# Altium PCB Benchtest_PCB.PcbDoc (part 2 of 3)
Units mil, origin at the board's own origin, x right, y up, seen from the top; angles counter-clockwise.
Board outline 6000 x 3920 mil, 4 copper layers (Top Layer, Power Plane, Ground Plane, Bottom Layer), stack 30.634 mil thick; 232 components, 162 nets, 1268 pads, 324 vias.
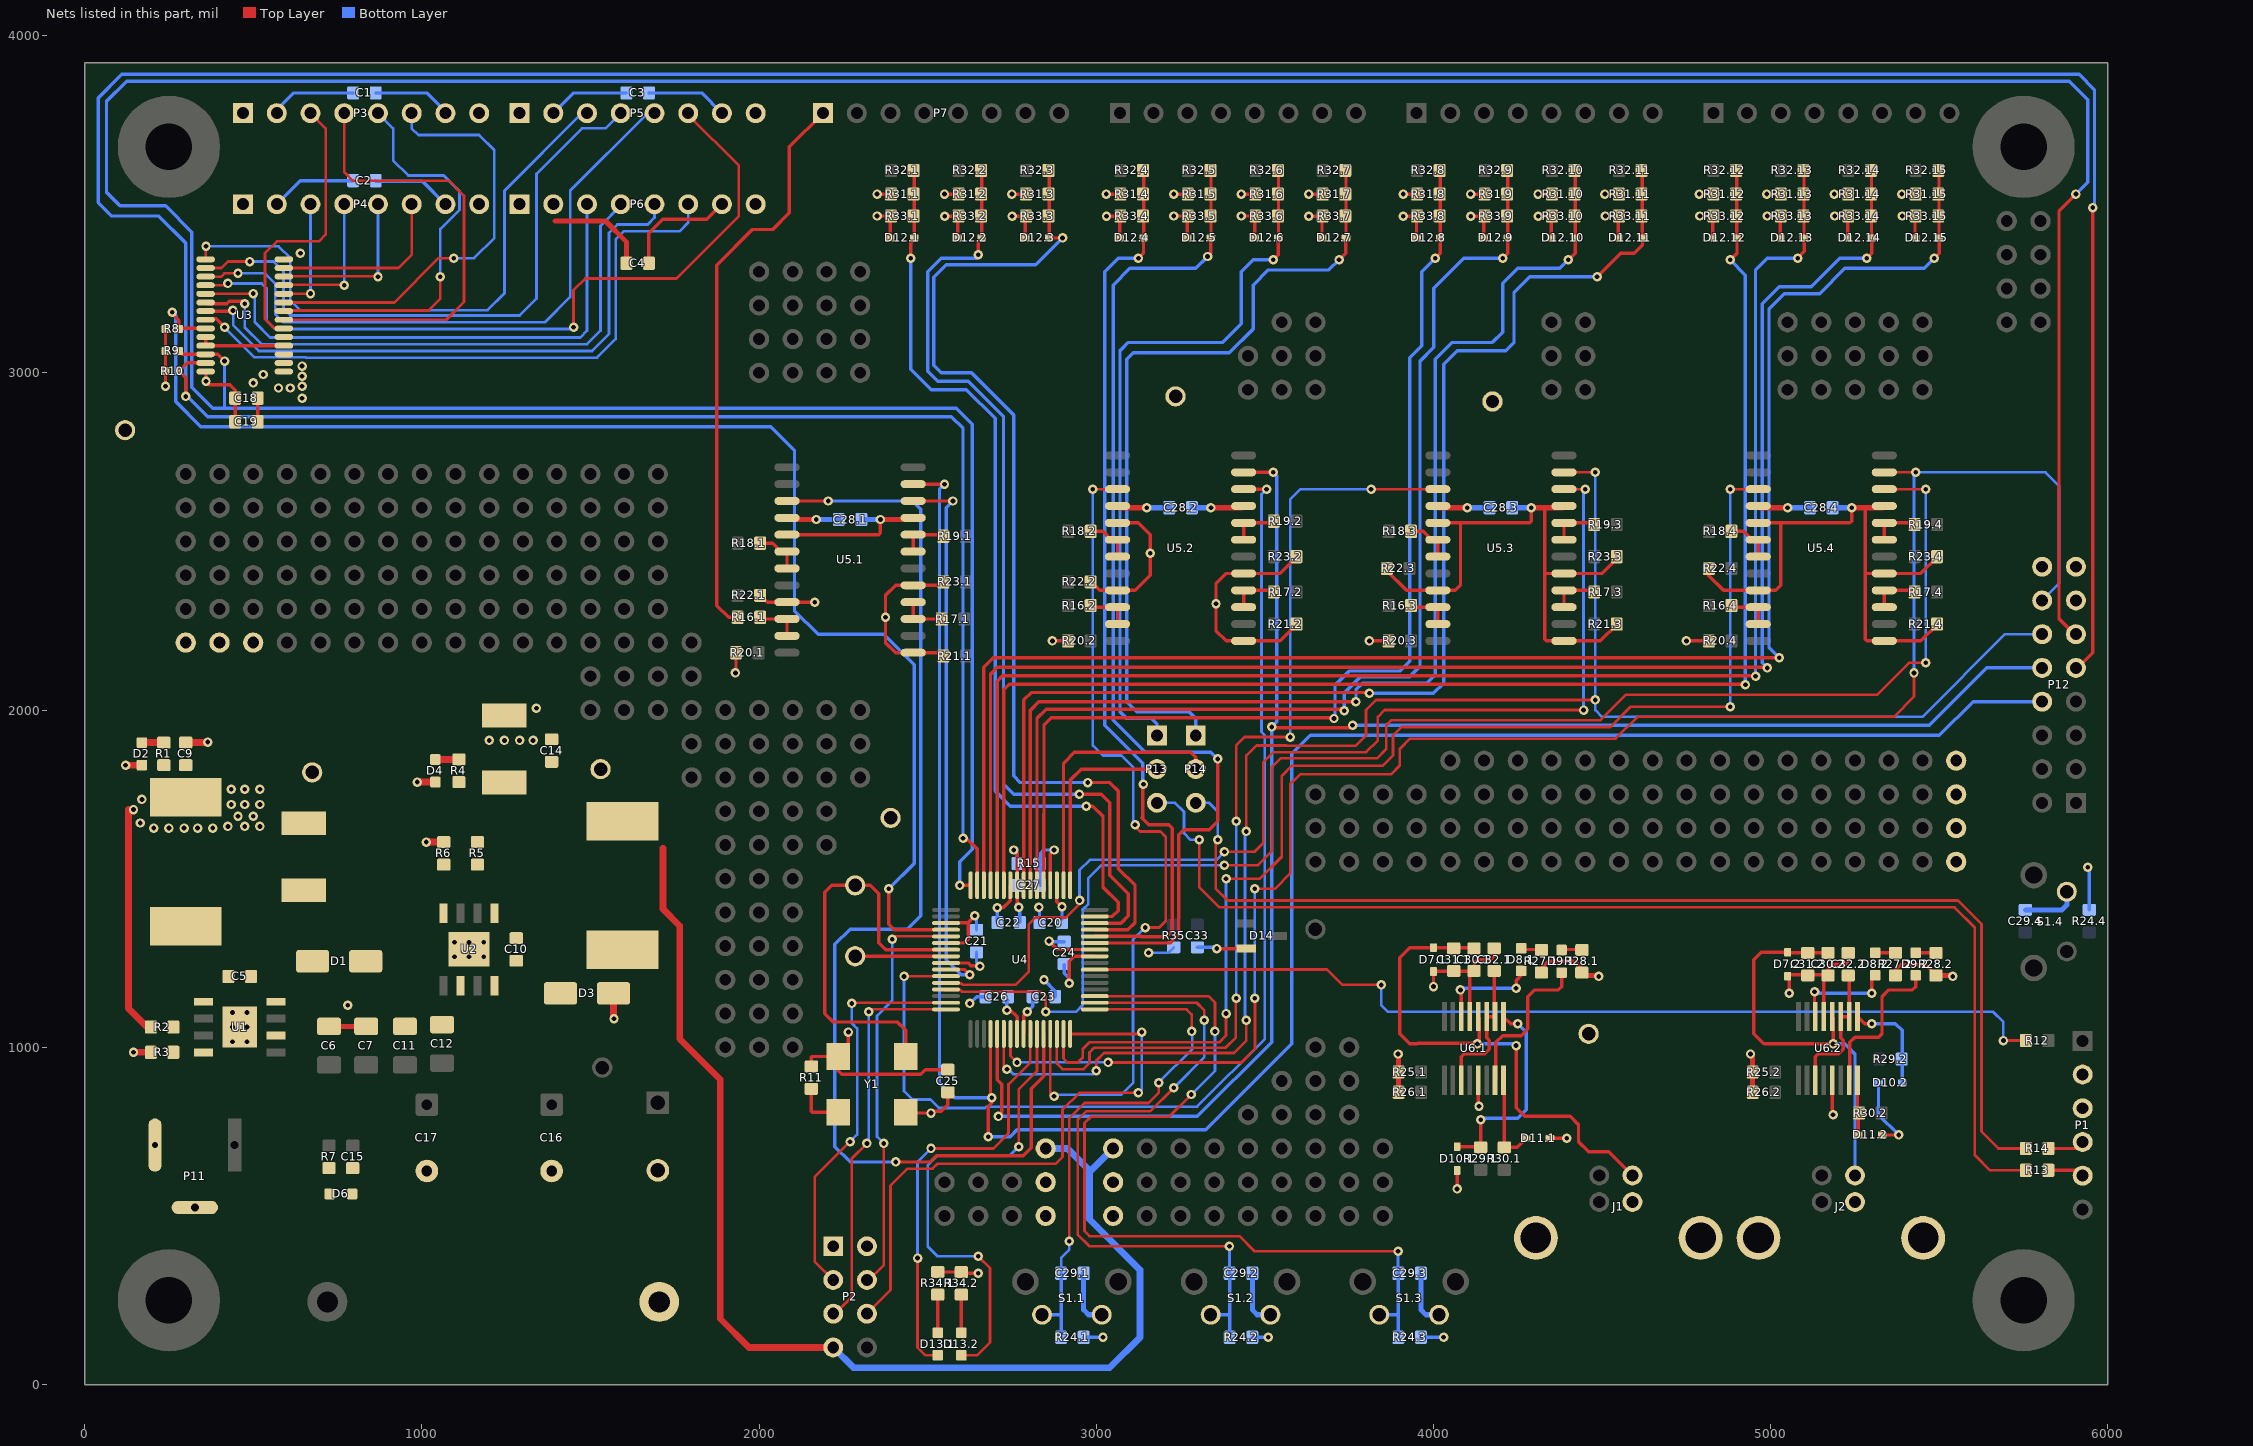
[diagram p4: the nets of this part, all layers, seen from the top]

## Via types
v1: diameter 28, hole 14, Top Layer to Bottom Layer, 324 vias

## Nets (pads, with @x,y where several pads share a name; then routed paths per layer and width w, separated by ;. In a path a pad name is that pad's centre, name@x,y a point inside that pad or via, vN(x,y) a via of type N, cw(c..) or ccw(c..) an arc to the next point about the centre after c; other vN are vias at no path point)
3V3: C8.1 C9.2 C18.1 C19.1 C20.2 C21.2 C22.2 C23.2 C24.2 C25.2 C28.1.1 C28.2.1 C28.3.1 C28.4.1 L1.2 P1.2 P2.1 P12.7 pad.4@400,2200 pad.4@2850,600 pad.4@3050,600 pad.4@5550,1750 pad.4@5550,1850 R1.1 R2.1 R8.2 R9.2 R10.2 R11.1 R24.1.2 R24.2.2 R24.3.2 R24.4.2 R25.1.2 R25.2.2 R26.1.2 R26.2.2 R27.1.2 R27.2.2 R28.1.2 R28.2.2 R31.1.1 R31.2.1 R31.3.1 R31.4.1 R31.5.1 R31.6.1 R31.7.1 R31.8.1 R31.9.1 R31.10.1 R31.11.1 R31.12.1 R31.13.1 R31.14.1 R31.15.1 R34.1.1 R34.2.1 R35.2 TP1.1 TP3.1 U3.28 U4.10 U4.19 U4.26 U4.35 U4.38 U4.57 U5.1.16 U5.2.16 U5.3.16 U5.4.16 Y1.4 | length 4893.3
  Top Layer w10: R2.1@185,1060 R2.1@196.54,1060 ; v1(240,2960) 240,3129.69 R8.2@240.32,3130 ; U3.28@357.4,3005.32 U3.28@358.86,3003.86 360,3002.72 v1(360,2975) 370,2965 430,2965 446.54,2948.46 C18.1@446.54,2925 C19.1@446.54,2855 ; U5.1.16@2082.99,2570 U5.1.16@2087.99,2565 ; R11.1@2155,943.46 2155,970 2157.68,972.68 Y1.4@2235,972.68 ; v1(2265,1045) 2265,1002.68 Y1.4@2235,972.68 ; v1(2350,3530) R31.1.1@2391.54,3530 ; R34.1.1@2530,333.46 2596.54,333.46 2600,330 v1(2650,330) ; v1(2550,3530) R31.2.1@2591.54,3530 ; U4.38@2554.53,1309.21 2609.21,1309.21 2620,1320 2620,1370 ; U4.35@2555,1369.05 2619.05,1369.05 2620,1370 ; C25.2@2560,933.46 2493.46,933.46 2480,920 2245,920 2235,930 Y1.4@2235,972.68 ; v1(2640,1390) 2620,1370 ; v1(2706.54,1413.46) 2723.46,1413.46 2745,1435 ; 2730.31,1420 2745.47,1435.16 U4.26@2745.47,1480.47 ; v1(2750,3530) R31.3.1@2791.54,3530 ; U4.57@2784.84,1039.53 2784.84,1094.84 v1(2795,1105) ; v1(2860,1315) 2885,1290 U4.10@2995,1290 ; U4.19@2883.27,1480.47 2883.27,1431.73 v1(2898.46,1416.54) ; v1(3030,3530) R31.4.1@3071.54,3530 ; U5.2.16@3062.99,2605 U5.2.16@3067.99,2600 ; v1(3230,3530) R31.5.1@3271.54,3530 ; v1(3430,3530) R31.6.1@3471.54,3530 ; v1(3630,3530) R31.7.1@3671.54,3530 ; v1(3910,3530) R31.8.1@3951.54,3530 ; U5.3.16@4012.99,2605 U5.3.16@4017.99,2600 ; v1(4110,3530) R31.9.1@4151.54,3530 ; v1(4310,3530) R31.10.1@4351.54,3530 ; R27.1.2@4320,1213.07 4320,1235 4340,1255 4420,1255 4440,1235 R28.1.2@4440,1215 ; v1(4508.46,3530) R31.11.1@4550,3530 ; v1(4788.46,3530) R31.12.1@4830,3530 ; U5.4.16@4962.99,2605 U5.4.16@4967.99,2600 ; v1(4988.46,3530) R31.13.1@5030,3530 ; v1(5188.46,3530) R31.14.1@5230,3530 ; R27.2.2@5370,1213.07 5370,1230 5385,1245 5460,1245 R28.2.2@5490,1215 ; v1(5388.46,3530) R31.15.1@5430,3530 ; R28.2.2@5489.04,1214.04 R28.2.2@5490,1213.07
  Top Layer w15: U5.1.16@2087.99,2565 v1(2170,2565) ; U5.2.16@3067.99,2600 v1(3150,2600) ; v1(3895,980) 3896.54,978.46 R25.1.2@3896.54,926.54 R26.1.2@3896.54,866.54 ; U5.3.16@4017.99,2600 v1(4100,2600) ; R28.1.2@4440,1213.07 4486.93,1213.07 v1(4490,1210) ; v1(4940,980) 4946.54,973.46 R25.2.2@4946.54,926.54 R26.2.2@4946.54,866.54 ; U5.4.16@4967.99,2600 v1(5050,2600) ; R28.2.2@5490,1213.07 5536.93,1213.07 v1(5540,1210)
  Top Layer w20: 130,1705 130,1115 R2.1@185,1060
  Bottom Layer w8: v1(3155,1280) 3213.46,1280 R35.2@3230,1296.54
  Bottom Layer w10: v1(2640,1390) 2645,1385 C21.2@2645,1348.46 ; C22.2@2706.54,1370 v1(2706.54,1413.46) ; v1(2795,1105) 2811.54,1121.54 C23.2@2811.54,1150 ; v1(2860,1315) 2861.54,1313.46 C24.2@2905,1313.46 ; C20.2@2898.46,1380 v1(2898.46,1416.54) ; R24.1.2@2962.68,140 v1(3020,140) ; R24.2.2@3462.68,140 v1(3510,140) ; R24.3.2@3962.68,140 v1(4030,140) ; v1(5940,1534.21) 5944.96,1529.25 R24.4.2@5944.96,1407.68
  Bottom Layer w15: v1(2170,2565) C28.1.1@2236.54,2565 ; v1(3150,2600) C28.2.1@3216.54,2600 ; v1(4100,2600) C28.3.1@4166.54,2600 ; v1(5050,2600) C28.4.1@5116.54,2600
  other v1: 205,1650 250,1650 295,1650 335,1650 380,1650 425,1655 475,1655 520,1655 165,1665 455,1685 500,1685 145,1705 435,1720 475,1720 520,1720 170,1735 435,1765 475,1765 520,1765
5V0: C1.1 C2.1 C3.1 C4.1 C13.1 C14.2 L2.2 P2.4 P3.1 P3.2 P4.1 P4.2 P5.1 P5.2 P6.1 P6.2 pad.4@300,2200 pad.4@2850,700 pad.4@3050,700 R4.1 R5.1 TP2.1 TP4.1 | length 4670.5
  Top Layer w15: 1395,3450 1545,3450 1606.54,3388.46 C4.1@1606.54,3325
  Top Layer w20: 1715,1590 1715,1410 1765,1360 1765,1025 1885,905 1885,195 1970,110 P2.4@2220,110
  Bottom Layer w10: P4.2@570,3500 640,3570 C2.1@796.54,3570 ; P3.2@570,3780 620,3830 C1.1@796.54,3830 ; P5.2@1385,3770 P5.2@1390,3770 1450,3830 C3.1@1606.54,3830
  Bottom Layer w20: P2.4@2220,110 2280,50 3040,50 3130,140 3130,340 2980,490 2980,630 ; pad.4@2850,700 2915,700 2980,635 2980,630 ; pad.4@3050,700 2980,630
5V_USB.1: C30.1.2 C31.1.2 D7.1.K J1.1 U6.1.12 | length 1551.1
  Top Layer w10: C30.1.2@4125,1295 3930,1295 3900,1265 3900,1040 3930,1010 3951.82,1010 3953.82,1012 4128,1012 v1(4130,1010) 4131.22,1010 4135.61,1014.39 4135.61,1087.91 U6.1.12@4132.5,1091.02 ; v1(4245,1005) 4245,820 4270,795 4405,795 4430,770 4430,720 4460,690 4520,690 J1.1@4590,620
  Bottom Layer w10: v1(4130,1010) 4240,1010 v1(4245,1005)
5V_USB.2: C30.2.2 C31.2.2 D7.2.K J2.1 U6.2.12 | length 1217.3
  Top Layer w10: C30.2.2@5170,1280 C31.2.2@5110,1280 5051.97,1280 D7.2.K@5050,1281.97 4971.97,1281.97 4950,1260 4950,1040 4980,1010 v1(5185,1010) 5185.61,1010.61 5185.61,1087.91 U6.2.12@5182.5,1091.02
  Bottom Layer w10: v1(5185,1010) 5220,1010 5250,980 J2.1@5250,620
ADC2: D12.1.K R31.1.2 R32.1.1 R33.1.2 U4.15 | length 2737.1
  Top Layer w10: v1(2450,3340) 2450,3385 D12.1.K@2465,3400 ; D12.1.K@2460.43,3400 R32.1.1@2460.43,3599.57 ; v1(2970,1715) 2990,1715 3020,1685 3020,1475 3065,1430 3065,1405 3047.95,1387.95 U4.15@2995.47,1387.95
  Bottom Layer w10: v1(2450,3340) 2450,3010 2510,2950 2615,2950 2700,2865 2700,1760 2745,1715 v1(2970,1715)
ADC3: D12.2.K R31.2.2 R32.2.1 R33.2.2 U4.14 | length 2897.5
  Top Layer w10: v1(2650,3350) 2650,3389.57 D12.2.K@2660.43,3400 ; D12.2.K@2660,3400 D12.2.K@2660.43,3400 ; R32.2.1@2660.43,3599.57 D12.2.K@2660.43,3400 ; v1(2950,1750) 3015,1750 3040,1725 3040,1510 3095,1455 3095,1390 3073.58,1368.58 ; U4.14@2995.47,1368.27 3073.27,1368.27
  Bottom Layer w10: v1(2650,3350) 2650,3345 2645,3340 2540,3340 2500,3300 2500,3005 2530,2975 2620,2975 2725,2870 2725,1780 2755,1750 v1(2950,1750)
ADC4: D12.3.K R31.3.2 R32.3.1 R33.3.2 U4.13 | length 3166.7
  Top Layer w10: D12.3.K@2860,3400 D12.3.K@2860.43,3400 ; R32.3.1@2860.43,3599.57 D12.3.K@2860.43,3400 ; v1(2900,3400) D12.3.K@2860.43,3400 ; v1(2975,1785) 3040,1785 3065,1760 3065,1530 3115,1480 3115,1370 3093.58,1348.58 U4.13@2995.47,1348.58
  Bottom Layer w10: v1(2900,3400) 2820,3320 2555,3320 2518,3283 2518,3022 2540,3000 2630,3000 2755,2875 2755,1805 2775,1785 v1(2975,1785)
ADC5: D12.4.K R31.4.2 R32.4.1 R33.4.2 U4.12 | length 2696.8
  Top Layer w10: U4.12@2995.47,1328.9 3132.92,1328.9 3133.82,1328 3208,1328 3225,1345 3225,1650 3215,1660 3155,1660 3135,1680 3137.47,1682.47 3137.47,1777.47 v1(3140,1780) ; v1(3125,3340) 3140,3355 D12.4.K@3140,3400 ; D12.4.K@3140.43,3400 R32.4.1@3140.43,3599.57
  Bottom Layer w10: 3025,1990 3025.16,1989.84 ; v1(3125,3340) 3065,3340 3025,3300 3025,3085.31 3024.84,3085.16 3024.84,1955.16 3137.47,1842.53 3137.47,1782.53 v1(3140,1780)
ADC6: D12.5.K R31.5.2 R32.5.1 R33.5.2 U4.11 | length 3093.3
  Top Layer w10: U4.11@2995.47,1309.21 3219.21,1309.21 3245,1335 3245,1630 3260,1645 3335,1645 3360,1670 v1(3360,1855) ; v1(3330,3345) 3340,3355 D12.5.K@3340,3400 ; D12.5.K@3340.43,3400 R32.5.1@3340.43,3599.57
  Bottom Layer w10: v1(3330,3345) 3295,3310 3100,3310 3050,3260 3050,1970 3145,1875 3340,1875 v1(3360,1855)
ADC7: D12.6.K P13.1 R31.6.2 R32.6.1 R33.6.2 | length 2157.3
  Top Layer w10: v1(3525,3335) 3540,3350 D12.6.K@3540,3400 ; D12.6.K@3540.43,3400 R32.6.1@3540.43,3599.57
  Bottom Layer w10: P13.1@3180,1925 3180,1960 3165,1975 3090,1975 3070.43,1994.57 3070.43,3065 3095.43,3090 3375,3090 3430,3145 3430,3300 3465,3335 v1(3525,3335)
ADC7/PGEC: P13.3 R13.1 | length 3546.1
  Top Layer w8: v1(3305,1615) 3305,1475 3365,1415 5545,1415 5605,1355 5605,680 5650,635 R13.1@5756.54,635 R13.1@5760,635
  Bottom Layer w8: P13.3@3180,1725 3233.44,1725 3260,1698.44 3260,1635 3280,1615 v1(3305,1615)
ADC8: D12.7.K P14.1 R31.7.2 R32.7.1 R33.7.2 | length 2386.5
  Top Layer w10: v1(3720,3335) 3740,3355 D12.7.K@3740,3400 ; D12.7.K@3740.43,3400 R32.7.1@3740.43,3599.57
  Bottom Layer w10: P14.1@3295,1930 3295,1975 3275,1995 3120,1995 3090.43,2024.57 3090.43,3040.43 3110,3060 3395,3060 3465,3130 3465,3260 3510,3305 3690,3305 v1(3720,3335)
ADC8/PGED: P14.3 R14.1 | length 3387.5
  Top Layer w8: v1(3360,1615) 3354,1609 3354,1471 3390,1435 5555,1435 5625,1365 5625,750 5675,700 R14.1@5755,700
  Bottom Layer w8: P14.3@3295,1725 3335,1725 3360,1700 v1(3360,1615)
ADC9: D12.8.K R31.8.2 R32.8.1 R33.8.2 U4.21 | length 3187.4
  Top Layer w10: U4.21@2843.9,1480.47 2844.91,1910 2844.91,1954.91 2867,1977 3703,1977 v1(3705,1975) ; v1(4005,3340) 4020,3355 D12.8.K@4020,3400 ; D12.8.K@4020.43,3400 R32.8.1@4020.43,3599.57
  Bottom Layer w10: v1(3705,1975) 3708,1978 3708,2073 3751,2116 3901,2116 3930,2145 3930,3045 3965,3080 3965,3300 v1(4005,3340)
ADC10: D12.9.K R31.9.2 R32.9.1 R33.9.2 U4.22 | length 3373.3
  Top Layer w10: U4.22@2824.21,1480.47 2824.21,1975 2851.21,2002 3731,2002 v1(3735,1998) ; v1(4205,3340) 4220,3355 D12.9.K@4220,3400 ; D12.9.K@4220.43,3400 R32.9.1@4220.43,3599.57
  Bottom Layer w10: v1(3735,1998) 3735,2050.59 3782.41,2098 3928,2098 3960,2130 3960,3035 4000.43,3075.43 4000.43,3250.43 4090,3340 v1(4205,3340)
ADC11: D12.10.K R31.10.2 R32.10.1 R33.10.2 U4.23 | length 3594.1
  Top Layer w10: U4.23@2804.53,1480.47 2804.53,2000 2805,2000 2830,2025 v1(3770,2025) ; v1(4400,3335) 4420,3355 D12.10.K@4420,3400 ; D12.10.K@4420.43,3400 R32.10.1@4420.43,3599.57
  Bottom Layer w10: v1(3770,2025) 3770.16,2025.16 3770.16,2060.29 3789.87,2080 3980,2080 4005,2105 4005,3040 4055,3090 4175,3090 4205,3120 4205,3265 4250,3310 4375,3310 v1(4400,3335)
ADC12: D12.11.K R31.11.2 R32.11.1 R33.11.2 U4.24 | length 3805.9
  Top Layer w10: U4.24@2784.84,1480.47 2784.84,2030 2785,2030 2807,2052 3808,2052 v1(3810,2050) ; v1(4485,3285) 4555,3355 4595,3355 4620,3380 D12.11.K@4620,3400 ; D12.11.K@4618.9,3400 R32.11.1@4618.9,3599.57
  Bottom Layer w10: v1(3810,2050) 4000,2050 4030,2080 4030,3025 4070,3065 4213.9,3065 4238.9,3090 4238.9,3238.9 4285,3285 v1(4485,3285)
ADC13: D12.12.K R31.12.2 R32.12.1 R33.12.2 U4.27 | length 4338.6
  Top Layer w10: U4.27@2725.79,1480.47 2725.79,2060.79 2742,2077 4923,2077 v1(4925,2075) ; v1(4880,3335) 4900,3355 D12.12.K@4900,3400 ; D12.12.K@4898.9,3400 R32.12.1@4898.9,3599.57
  Bottom Layer w10: v1(4880,3335) 4925,3290 v1(4925,2075)
ADC14: D12.13.K R31.13.2 R32.13.1 R33.13.2 U4.28 | length 4474.3
  Top Layer w10: U4.28@2706.1,1480.47 2706.1,2086.1 2722,2102 4953,2102 v1(4955,2100) ; v1(5080,3340) 5100,3360 D12.13.K@5100,3400 ; D12.13.K@5098.9,3400 R32.13.1@5098.9,3599.57
  Bottom Layer w10: v1(4955,2100) 4955,3305 4990,3340 v1(5080,3340)
ADC15: D12.14.K R31.14.2 R32.14.1 R33.14.2 U4.29 | length 4656.8
  Top Layer w10: U4.29@2686.42,1480.47 2686.42,2106.42 2707,2127 4988,2127 v1(4990,2125) ; v1(5285,3340) 5300,3355 D12.14.K@5300,3400 ; D12.14.K@5298.9,3400 R32.14.1@5298.9,3599.57
  Bottom Layer w10: v1(4990,2125) 4975,2140 4975,3205 5025,3255 5120,3255 5205,3340 v1(5285,3340)
ADC16: D12.15.K R31.15.2 R32.15.1 R33.15.2 U4.30 | length 4881.6
  Top Layer w10: U4.30@2666.73,1480.47 2666.73,2126.73 2695,2155 v1(5025,2155) ; v1(5485,3340) 5500,3355 D12.15.K@5500,3400 ; D12.15.K@5498.9,3400 R32.15.1@5498.9,3599.57
  Bottom Layer w10: v1(5025,2155) 4995,2185 4995,3190 5040,3235 5145,3235 5220,3310 5455,3310 v1(5485,3340)
CS0: P12.13 U4.52 U5.1.11 | length 6526.4
  Top Layer w10: U5.1.11@2457.01,2670 v1(2550,2670) ; v1(2680,735) 2680,825 2690,835 v1(2690,850) 2687.83,850 2685,852.83 2686.42,851.42 U4.52@2686.42,1039.53
  Bottom Layer w10: v1(2550,2670) 2535,2655 2535,895 2580,850 v1(2690,850) ; v1(2680,735) 2745,735 2765,755 3325,755 3580,1010 3580,1870 3635.16,1925.16 5500.16,1925.16 5600,2025 P12.13@5805,2025
CS1: P12.12 U4.53 U5.2.11 | length 5302.8
  Top Layer w10: U4.53@2706.1,1039.53 2706.1,903.9 2720,890 2720,805 v1(2710,795) ; U5.2.11@3437.01,2705 v1(3525,2705) ; v1(3520,1950) 3522,1948 3753,1948 v1(3760,1955)
  Bottom Layer w10: v1(2710,795) 3299.54,795 3520,1015.46 v1(3520,1950) 3535,1965 3535,2695 v1(3525,2705) ; v1(3760,1955) 5470,1955 5640,2125 P12.12@5805,2125
CS2: P12.11 U4.54 U5.3.11 | length 5108.9
  Top Layer w8: v1@2725.79,935 U4.54@2725.79,1039.53 ; v1(3000,930) 3000,960 3023,983 3408,983 3445,1020 v1(3445,1080) ; v1(3445,1640) 3445,1865 3475,1895 3563.23,1895 3564.23,1894 3769,1894 3800,1925 3800,2000 3830,2030 v1(4480,2030) ; U5.3.11@4387.01,2705 v1(4480,2705)
  Bottom Layer w8: v1(2735,935) 2740,935 2755,920 2990,920 v1(3000,930) ; v1(3445,1080) 3441,1084 3441,1636 v1(3445,1640) ; v1(4480,2705) v1(4480,2030) 4480,2000 4500,1980 5450,1980 5695,2225 P12.11@5805,2225
CS3: P12.10 U4.55 U5.4.11 | length 5228.8
  Top Layer w8: U4.55@2745.47,1039.53 2745.47,974.53 v1(2765,955) ; v1(3035,955) 3430,955 3471,996 3471,1144 v1(3470,1145) ; v1(3470,1470) 3530,1470 3575,1515 3575,1780 3605,1810 3875,1810 3900,1835 3900,1885 3930,1915 4540,1915 4605,1980 5365,1980 5425,2040 v1(5425,2110) ; U5.4.11@5337.01,2705 v1(5430,2705)
  Bottom Layer w8: v1(2765,955) 2766,956 3034,956 v1(3035,955) ; v1(3470,1145) v1(3470,1470) ; v1(5425,2110) 5425,2700 v1(5430,2705) 5815,2705 5855,2665 5855,2375 P12.10@5805,2325
GND: C1.2 C2.2 C3.2 C4.2 C6.1 C7.1 C8.2 C9.1 C11.1 C12.1 C13.2 C14.1 C15.1 C16.2 C17.2 C18.2 C19.2 C20.1 C21.1 C22.1 C23.1 C24.1 C25.1 C26.1 C27.1 C28.1.2 C28.2.2 C28.3.2 C28.4.2 C29.1.1 C29.2.1 C29.3.1 C29.4.1 C30.1.1 C30.2.1 C31.1.1 C31.2.1 C32.1.2 C32.2.2 C33.1 D1.A D2.K D3.A D4.K D6.K D7.1.A D7.2.A D10.1.A D10.2.A D11.1.A D11.2.A D12.1.A D12.2.A D12.3.A D12.4.A D12.5.A D12.6.A D12.7.A D12.8.A D12.9.A D12.10.A D12.11.A D12.12.A D12.13.A D12.14.A D12.15.A D14.2 J1.4 J1.5 J1.6 J2.4 J2.5 J2.6 P1.3 P2.5 P3.7 P3.8 P4.7 P4.8 P5.7 P5.8 P6.7 P6.8 P11.2 P11.3 P12.8 P12.9 pad.4@500,2200 pad.4@2850,500 pad.4@3050,500 pad.4@5550,1550 pad.4@5550,1650 R3.2 R6.2 R15.2 R20.1.2 R20.2.2 R20.3.2 R20.4.2 R21.1.2 R21.2.2 R21.3.2 R21.4.2 R22.1.2 R22.2.2 R22.3.2 R22.4.2 R23.1.2 R23.2.2 R23.3.2 R23.4.2 R33.1.1 R33.2.1 R33.3.1 R33.4.1 R33.5.1 R33.6.1 R33.7.1 R33.8.1 R33.9.1 R33.10.1 R33.11.1 R33.12.1 R33.13.1 R33.14.1 R33.15.1 S1.1.2 S1.2.2 S1.3.2 S1.4.2 TP7.1 TP9.1.1 TP9.2.1 U1.6 U1.9 U2.6 U2.9 U3.1 U3.2 U3.3 U3.4 U3.5 U3.14 U3.24 U3.25 U4.9 U4.25 U4.41 U5.1.1 U5.1.5 U5.1.9 U5.1.17 U5.1.21 U5.2.1 U5.2.5 U5.2.9 U5.2.17 U5.2.21 U5.3.1 U5.3.5 U5.3.9 U5.3.17 U5.3.21 U5.4.1 U5.4.5 U5.4.9 U5.4.17 U5.4.21 U6.1.5 U6.1.13 U6.2.5 U6.2.13 Y1.2 | length 12817.2
  Top Layer w10: U3.24@358.86,3106.22 U3.25@358.86,3080.63 589.37,3080.63 U3.4@590,3080 ; C19.2@513.46,2855 C18.2@513.46,2925 ; v1(575,2955) v1@575,2960 ; C4.2@1673.46,3325 1673.46,3413.46 1715,3455 1845,3455 P6.7@1890,3500 ; v1@1931.54,2111.54 R20.1.2@1931.54,2170 ; R22.1.2@2005,2340 2025,2320 U5.1.21@2082.99,2320 v1(2165,2320) ; U5.1.17@2082.99,2520 2355,2520 2360,2525 v1(2360,2565) ; v1(2350,3465) R33.1.1@2391.54,3465 ; D12.1.A@2389.57,3400 R33.1.1@2389.57,3464.57 ; Y1.2@2435,807.32 2437.32,805 v1(2510,805) 2515,810 2540,810 2560,830 2560,860 C25.1@2555,865 ; R23.1.2@2545,2380 2535,2370 U5.1.5@2457.01,2370 2405,2370 2375,2340 v1(2375,2275) 2375,2200 2405,2170 U5.1.1@2457.01,2170 2540,2170 R21.1.2@2550,2160 ; v1(2550.43,3464.57) 2589.57,3464.57 D12.2.A@2589.57,3400 ; U4.41@2560,1250 2620,1250 2628,1242 2653,1242 v1(2655,1240) ; v1(2750.43,3464.57) 2789.57,3464.57 D12.3.A@2789.57,3400 ; v1(2755,1585) 2765.16,1574.84 U4.25@2765.16,1480.47 ; U4.25@2765,1480 2765.94,1479.06 2765.94,1419.06 v1(2770,1415) ; v1(2870,2205) R20.2.2@2916.54,2205 ; v1(2920,1190) 2920,1255 2934.84,1269.84 U4.9@2995.47,1269.84 ; R22.2.2@2985,2380 3010,2355 U5.2.21@3062.99,2355 3115,2355 3160,2400 v1(3160,2465) 3160,2520 3125,2555 U5.2.17@3062.99,2555 ; v1(3030.43,3464.57) 3069.57,3464.57 D12.4.A@3069.57,3400 ; v1(3230,3465) R33.5.1@3271.54,3465 ; D12.5.A@3269.57,3400 R33.5.1@3269.57,3464.57 ; v1(3357.4,1292.6) D14.2@3444.74,1292.6 ; v1(3430,3465) R33.6.1@3471.54,3465 ; D12.6.A@3469.57,3400 R33.6.1@3469.57,3464.57 ; R21.2.2@3595,2255 3545,2205 U5.2.1@3437.01,2205 3385,2205 3355,2235 v1(3355,2315) 3355,2375 3385,2405 U5.2.5@3437.01,2405 3545,2405 R23.2.2@3595,2455 ; v1(3630.43,3464.57) 3669.57,3464.57 D12.7.A@3669.57,3400 ; v1(3810,2205) R20.3.2@3866.54,2205 ; R22.3.2@3860,2415 3920,2355 U5.3.21@4012.99,2355 4065,2355 4080,2370 4080,2555 ; v1(3910.43,3464.57) 3949.57,3464.57 D12.8.A@3949.57,3400 ; v1(4000,1180) 4000,1225 4120,1225 4107.5,1212.5 U6.1.13@4107.5,1091.02 ; U5.3.17@4012.99,2555 4080,2555 ; v1(4070,580) D10.1.A@4070,634.57 ; v1(4110.43,3464.57) 4149.57,3464.57 D12.9.A@4149.57,3400 ; C30.1.1@4120,1226.54 4120,1250 4130,1260 4170,1260 4180,1270 C32.1.2@4180,1293.46 C32.1.2@4180,1295 ; U6.1.5@4132.5,902.05 4132.5,827.5 v1(4135,825) ; v1(4290,2600) 4290,2560 4285,2555 4080,2555 ; v1(4310.43,3464.57) 4349.57,3464.57 D12.10.A@4349.57,3400 ; 4330,2600 4330,2405 ; D11.1.A@4345.43,730 v1(4395,730) ; v1(4510,3465) R33.11.1@4550,3465 ; R21.3.2@4545,2255 4495,2205 U5.3.1@4387.01,2205 4335,2205 4330,2210 4330,2405 ; R23.3.2@4545,2450 4500,2405 U5.3.5@4387.01,2405 4330,2405 ; D12.11.A@4548.03,3400 R33.11.1@4548.03,3464.57 ; v1(4750,2205) R20.4.2@4816.54,2205 ; v1(4790,3465) R33.12.1@4830,3465 ; R22.4.2@4816.54,2420 4816.54,2398.46 4860,2355 U5.4.21@4962.99,2355 5015,2355 5030,2370 5030,2555 ; D12.12.A@4828.03,3400 R33.12.1@4828.03,3464.57 ; U5.4.17@4962.99,2555 5030,2555 ; v1(4990,3465) R33.13.1@5030,3465 ; D12.13.A@5028.03,3400 R33.13.1@5028.03,3464.57 ; D7.2.A@5050,1210 5055,1205 v1(5055,1160) ; D7.2.A@5055,1215 C30.2.1@5170,1215 ; U6.2.13@5157.5,1091.02 5157.5,1202.5 C30.2.1@5170,1215 ; C30.2.1@5170,1213.07 C30.2.1@5170,1215 ; U6.2.5@5182.5,902.05 5182.5,802.5 v1(5185,800) ; v1(5190,3465) R33.14.1@5230,3465 ; D12.14.A@5228.03,3400 R33.14.1@5228.03,3464.57 ; C32.2.2@5230,1275 5230,1255 5220.79,1245.79 5180.79,1245.79 5170,1235 C30.2.1@5170,1215 ; v1(5240,2600) 5240,2560 5235,2555 5030,2555 ; 5280,2600 5280,2405 ; D11.2.A@5330.43,740 v1(5380,740) ; v1(5390,3465) R33.15.1@5430,3465 ; D12.15.A@5428.03,3400 R33.15.1@5428.03,3464.57 ; R21.4.2@5495,2255 5445,2205 U5.4.1@5337.01,2205 5285,2205 5280,2210 5280,2405 ; R23.4.2@5495,2455 5445,2405 U5.4.5@5337.01,2405 5280,2405
  Top Layer w15: v1@363.46,1903.46 v1(365,1905) ; C6.1@725,1062.09 C7.1@835,1062.09 ; v1(2360,2565) 2452.01,2565 U5.1.9@2457.01,2570 ; v1(3340,2600) 3432.01,2600 U5.2.9@3437.01,2605 ; v1(4000,1180) v1@4001.1,1181.1 ; v1(4290,2600) 4330,2600 4382.01,2600 U5.3.9@4387.01,2605 ; C31.2.1@5108.03,1211.1 C31.2.1@5110,1213.07 ; v1(5240,2600) 5280,2600 5332.01,2600 U5.4.9@5337.01,2605
  Top Layer w20: v1(121.54,1836.54) D2.K@170,1836.54 ; v1(145,985) R3.2@196.54,985 ; C9.1@300,1903.46 v1@363.46,1903.46 ; v1(986.54,1786.54) D4.K@1040,1786.54 ; v1(1013.46,1608.46) R6.2@1065,1608.46 ; D3.A@1568.74,1160 1568.74,1086.26 v1(1570,1085)
  Bottom Layer w10: C2.2@863.46,3570 863.46,3568 1002,3568 P4.7@1070,3500 ; C1.2@863.46,3830 1015,3830 P3.7@1075,3770 ; C3.2@1673.46,3830 1830,3830 P5.7@1890,3770 ; v1(2625,1130) 2645,1150 C26.1@2671.54,1150 ; C21.1@2645,1281.54 2645,1250 v1(2655,1240) ; v1(2755,1585) 2765,1575 R15.2@2765,1545 ; C27.1@2766.54,1480 R15.2@2766.54,1543.46 ; v1(2770,1415) 2773.46,1411.54 C22.1@2773.46,1370 ; v1(2830,1415) 2831.54,1413.46 C20.1@2831.54,1370 ; v1(2845,1200) 2878.46,1166.54 C23.1@2878.46,1150 ; C24.1@2905,1245 2905,1220 2920,1205 v1(2920,1190) ; C33.1@3300,1296.54 v1@3358.46,1296.54 ; D10.2.A@5319.57,895 5319.57,800.43 v1(5380,740)
  Bottom Layer w15: C28.1.2@2303.46,2565 v1(2360,2565) ; C29.1.1@2962.68,330 2962.68,221.5 2977.24,206.93 S1.1.2@3016.38,206.93 ; C28.2.2@3283.46,2600 v1(3340,2600) ; C29.2.1@3462.68,330 3462.68,221.5 3477.24,206.93 S1.2.2@3516.38,206.93 ; C29.3.1@3962.68,330 3962.68,221.5 3977.24,206.93 S1.3.2@4016.38,206.93 ; C28.3.2@4233.46,2600 v1(4290,2600) ; C28.4.2@5183.46,2600 v1(5240,2600) ; C29.4.1@5754.96,1407.68 5863.46,1407.68 5878.03,1422.24 S1.4.2@5878.03,1461.38
  other v1: 438.35,1016.69 481.65,1016.69 438.35,1060 481.65,1060 438.35,1103.31 481.65,1103.31 780,1125 1096.69,1268.35 1140,1268.35 1183.31,1268.35 1096.69,1311.65 1140,1311.65 1183.31,1311.65 1200,1910 1245,1910 1290,1910 1330,1910 1340,2005 1930,2110 645,2925 610,2955 645,2960 500,2970 645,2990 530,2995 645,3020 640,3355
GP_SW1: C29.1.2 R24.1.1 S1.1.1 U4.1 | length 1582
  Top Layer w8: v1(2920,425) 2920,790 2965,835 3155,835 3185,865 v1(3185,895) ; U4.1@2995.47,1112.36 3267.64,1112.36 3283,1097 v1(3283,1047)
  Bottom Layer w8: C29.1.2@2895.75,330 2895.75,375.75 2920,400 v1(2920,425) ; v1(3185,895) 3285,995 3285,1045 v1(3283,1047) v1@3280,1050
  Bottom Layer w10: S1.1.1@2839.21,206.93 2892.68,206.93 ; R24.1.1@2895.75,140 2895.75,225.75 C29.1.2@2895.75,330
GP_SW2: C29.2.2 R24.2.1 S1.2.1 U4.2 | length 2053.3
  Top Layer w8: U4.2@2995.47,1132.05 3297.95,1132.05 3320,1110 v1(3320,1080) ; v1(3230,880) 3160,810 2970,810 2945,785 2945,445 2980,410 v1(3395,410)
  Bottom Layer w8: v1(3230,880) 3320,970 v1(3320,1080) ; C29.2.2@3395,330 v1(3395,410)
  Bottom Layer w10: S1.2.1@3339.21,206.93 3392.68,206.93 ; R24.2.1@3395.75,140 3395.75,225.75 C29.2.2@3395.75,330
GP_SW3: C29.3.2 R24.3.1 S1.3.1 U4.3 | length 2601.8
  Top Layer w8: U4.3@2995.47,1151.73 3333.27,1151.73 3352,1133 v1(3352,1047) ; v1(3282,860) 3216,794 2984,794 2965,775 2965,455 2980,440 3425,440 3470,395 v1(3895,395)
  Bottom Layer w8: v1(3282,860) 3352,930 v1(3352,1047) ; C29.3.2@3895,335 v1(3895,395)
  Bottom Layer w10: S1.3.1@3839.21,206.93 3892.68,206.93 ; C29.3.2@3895,330 C29.3.2@3895,335 ; R24.3.1@3895.75,140 3895.75,225.75 C29.3.2@3895.75,330
GPIO0: P2.2 U4.47 | length 1182
  Top Layer w8: P2.2@2220,310 2165,365 2165,615 v1(2270,720) ; v1(2275,1130) 2277.05,1132.05 U4.47@2554.53,1132.05
  Bottom Layer w8: v1(2270,720) 2291,741 2291,1055.77 2275,1071.77 v1(2275,1130)
GPIO1: P2.3 U4.48 | length 1176.1
  Top Layer w8: P2.3@2220,205 2275,260 2275,670 v1(2320,715) ; v1(2325,1105) 2332.36,1112.36 U4.48@2554.53,1112.36
  Bottom Layer w8: v1(2320,715) 2325,720 v1(2325,1105)
GPIO2: P2.7 U4.64 | length 1741.9
  Top Layer w8: P2.7@2320,210 2390,280 2390,590 2440,640 2515,640 2530,655 2880,655 2900,675 2900,815 2950,865 v1(3125,865) ; U4.64@2922.64,1039.53 3135,1039.53 v1(3135,1045)
  Bottom Layer w8: v1(3125,865) 3135,875 v1(3135,1045)
GPIO3: P2.6 U4.37 | length 1235.8
  Top Layer w8: P2.6@2320,305 2370,355 v1(2370,715) ; v1(2395,1320) 2390,1320 2398.9,1328.9 U4.37@2554.53,1328.9
  Bottom Layer w8: v1(2370,715) 2350,735 2350,1093.23 2395,1138.23 v1(2395,1320)
I2C_CLK: P12.6 R9.1 U3.26 U4.32 | length 12655.3
  Top Layer w10: R9.1@280,3065 289.96,3055.04 U3.26@358.86,3055.04 394.96,3055.04 v1(415,3035) ; v1(2595,1480) U4.32@2625,1480 ; P12.6@5905,2220 5855,2270 5855,3480 v1(5905,3530)
  Bottom Layer w10: 415,2900 v1(415,3035) ; v1(2595,1480) 2595,1550 2632,1587 2632,2848 2585,2895 380,2895 318,2957 318,3417 240,3495 105,3495 65,3535 65,3805 125,3865 5885,3865 5940,3810 5940,3565 v1(5905,3530)
I2C_SDA: P12.5 R10.1 U3.27 U4.31 | length 12694.5
  Top Layer w10: v1(300,2930) 300,2985 280,3005 304.45,3029.45 U3.27@358.86,3029.45 ; v1(2605,1620) 2615,1620 2647.05,1587.95 U4.31@2647.05,1480.47 ; P12.5@5905,2120 5955,2170 v1(5955,3490)
  Bottom Layer w10: v1(2605,1620) 2605,2835 2570,2870 365,2870 305,2930 v1(300,2930) 300,3385 220,3465 80,3465 40,3505 40,3815 110,3885 5915,3885 5960,3840 5960,3495 v1(5955,3490) ; P12.5@5905,2110 P12.5@5905,2125
L\E\D\_\O\E\: R8.1 U3.23 U4.36 | length 4173.1
  Top Layer w10: v1(260,3180) 260,3175 279.68,3155.31 R8.1@279.68,3130 ; R8.1@281.81,3131.81 U3.23@358.86,3131.81 ; v1(2385,1470) 2385,1365 2401.42,1348.58 U4.36@2554.53,1348.58
  Bottom Layer w10: v1(260,3180) 270,3170 270,2915 345,2840 2035,2840 2105,2770 2105,2295 2175,2225 2370,2225 2460,2135 2460,1545 v1(2385,1470)
LED0: P3.3 U3.6 | length 844.2
  Top Layer w8: U3.6@591.14,3131.81 563.19,3131.81 535,3160 535,3355 570,3390 695,3390 715,3410 715,3725 P3.3@670,3770
LED1: P3.4 U3.7 | length 1429.6
  Top Layer w8: U3.7@591.14,3157.4 1072.4,3157.4 1125,3210 1125,3525 1080,3570 795,3570 770,3595 P3.4@770,3770
LED2: P3.5 U3.8 | length 1213.3
  Top Layer w8: U3.8@591.14,3182.99 U3.8@595,3182.99 ; U3.8@595,3185 1020,3185 1055,3220 v1(1055,3285)
  Bottom Layer w8: P3.5@870,3770 915,3725 915,3630 960,3585 1065,3585 1111.53,3538.47 1111.53,3482.8 1055,3426.27 v1(1055,3285)
LED3: P3.6 U3.9 | length 1280.1
  Top Layer w8: U3.9@591.14,3208.58 918.58,3208.58 1050,3340 v1(1095,3340)
  Bottom Layer w8: P3.6@970,3770 970,3725 990,3705 1170,3705 1215,3660 1215,3400 1155,3340 v1(1095,3340)
LED4: P4.3 U3.10 | length 344.2
  Top Layer w8: U3.10@591.14,3234.17 669.17,3234.17 v1(670,3235)
  Bottom Layer w8: v1(670,3235) P4.3@670,3500
LED5: P4.4 U3.11 | length 420.5
  Top Layer w8: U3.11@591.14,3259.76 592.38,3261 768.53,3261 770,3259.53 v1(770,3260)
  Bottom Layer w8: v1(770,3260) P4.4@770,3500
LED6: P4.5 U3.12 | length 500.6
  Top Layer w8: U3.12@591.14,3285.35 591.79,3286 864.71,3286 870,3280.71 v1(870,3285)
  Bottom Layer w8: v1(870,3285) P4.5@870,3500
LED7: P4.6 U3.13 | length 545.1
  Top Layer w8: U3.13@591.14,3310.95 591.2,3311 880.77,3311 880.82,3310.95 930.95,3310.95 970,3350 P4.6@970,3500
LED8: P5.3 U3.15 | length 1740.4
  Top Layer w8: U3.15@358.86,3336.54 358.86,3373.86 v1(360,3375)
  Bottom Layer w8: v1(360,3375) 575,3375 610,3340 610,3215 639,3186 1195,3186 1245,3236 1245,3540 1475,3770 P5.3@1490,3770
LED9: P5.4 U3.16 | length 1835
  Top Layer w8: U3.16@358.86,3310.95 405.95,3310.95 425,3330 v1(490,3330)
  Bottom Layer w8: v1(490,3330) 560,3330 590,3300 590,3190 610,3170 1290,3170 1340,3220 1340,3590 1475,3725 1545,3725 P5.4@1590,3770
LED10: P5.5 U3.17 | length 1887.2
  Top Layer w8: U3.17@358.86,3285.35 405.35,3285.35 415,3295 v1(455,3295)
  Bottom Layer w8: v1(455,3295) 535,3295 565,3265 565,3175 590,3150 1365,3150 1440,3225 1440,3540 1665,3765 P5.5@1690,3765
LED11: P5.6 U3.18 | length 2263.2
  Top Layer w8: U3.18@358.86,3259.76 v1@419.84,3259.84 ; v1(1450,3135) 1450,3245 1485,3280 1755,3280 1940,3465 1940,3615 P5.6@1790,3765
  Top Layer w10: U3.18@358.86,3259.76 U3.18@358.86,3259.76 ; v1@419.84,3259.84 v1(425,3265)
  Bottom Layer w8: v1(425,3265) 525,3265 540,3250 540,3155 565,3130 1450,3130 v1(1450,3135)
LED12: P6.3 U3.19 | length 1617.8
  Top Layer w8: U3.19@358.86,3234.17 358.86,3234.69 499.68,3234.69 v1(500,3235) ; P6.3@1490,3500 P6.3@1495,3495
  Bottom Layer w8: v1(500,3235) 505,3230 505,3150 550,3105 1470,3105 1490,3125 P6.3@1490,3495
LED13: P6.4 U3.20 | length 1687.6
  Top Layer w10: U3.20@358.86,3208.58 358.86,3209.84 U3.20@360.16,3209.84 ; U3.20@360,3210 U3.20@360.16,3209.84 ; v1(475,3205) 468,3212 428.82,3212 421.82,3205 365,3205 U3.20@360.16,3209.84
  Bottom Layer w8: v1(475,3205) 475,3135 525,3085 1490,3085 1530,3125 1530,3436.02 1590,3496.02 P6.4@1590,3500
LED14: P6.5 U3.21 | length 1786.4
  Top Layer w10: U3.21@358.86,3182.99 437.99,3182.99 v1(440,3185)
  Bottom Layer w8: v1(440,3185) 441,3184 441,3140.72 516.72,3065 1505,3065 1555,3115 1555,3415 1580,3440 1670,3440 1690,3460 P6.5@1690,3500
LED15: P6.6 U3.22 | length 1867.3
  Top Layer w10: U3.22@358.86,3157.4 U3.22@360,3157.4 ; U3.22@360,3160 390,3160 v1(415,3135)
  Bottom Layer w8: v1(415,3135) 504,3046 655.77,3046 656.77,3045 1520,3045 1575,3100 1575,3395 1600,3420 1765,3420 1790,3445 P6.6@1790,3495
LED_DBG1: D13.1.K U4.58 | length 1246.7
  Top Layer w8: v1(2470,375) 2470,110 2493.46,86.54 D13.1.K@2530,86.54 ; v1(2510,700) 2695,700 2740,745 2740,890 2804.53,954.53 U4.58@2804.53,1039.53
  Top Layer w10: U4.58@2804.16,1039.16 U4.58@2804.53,1039.53
  Bottom Layer w8: v1(2470,375) 2470,660 v1(2510,700)
LED_DBG2: D13.2.K U4.59 | length 1422.6
  Top Layer w8: D13.2.K@2600,86.54 2646.54,86.54 2685,125 2685,345 v1(2650,380) ; v1(2770,705) 2770,875 2824.21,929.21 U4.59@2824.21,1039.53
  Bottom Layer w8: v1(2650,380) 2530,380 2500,410 2500,650 2530,680 2745,680 v1(2770,705)
NetC5_1: C5.1 D1.K L1.1 U1.8
NetC5_2: C5.2 U1.1 | length 3.5
  Top Layer w10: C5.2@426.54,1210 C5.2@430,1210
NetC10_1: C10.1 D3.K L2.1 U2.8
NetC10_2: C10.2 U2.1
NetC26_2: C26.2 U4.56 | length 120.3
  Top Layer w10: v1(2735,1110) 2745,1110 2765.16,1089.84 U4.56@2765.16,1039.53
  Bottom Layer w10: v1(2735,1110) 2735,1136.54 C26.2@2738.46,1140
NetC27_2: C27.2 R15.1 U4.20 | length 244
  Top Layer w10: U4.20@2863.58,1480.47 2863.58,1573.58 v1(2875,1585)
  Bottom Layer w10: C27.2@2833.46,1480 R15.1@2833.46,1538.46 ; R15.1@2833.46,1545 R15.1@2835,1546.54 ; R15.1@2835,1545 R15.1@2835,1546.54 ; v1(2875,1585) 2845,1585 2835,1575 R15.1@2835,1546.54
NetC32.1_1: C32.1.1 U6.1.3 U6.1.10 U6.1.11 | length 421.3
  Top Layer w10: U6.1.3@4082.5,902.05 4082.5,972.5 4090,980 4150,980 4164.84,994.84 4164.84,1020.29 4157.5,1027.63 U6.1.11@4157.5,1091.02 U6.1.10@4182.5,1091.02 4180,1093.52 C32.1.1@4180,1225
NetC32.2_1: C32.2.1 U6.2.3 U6.2.10 U6.2.11 | length 406.3
  Top Layer w10: U6.2.3@5132.5,902.05 5132.5,972.5 5140,980 5200,980 5214.84,994.84 5214.84,1020.29 5207.5,1027.63 U6.2.11@5207.5,1091.02 U6.2.10@5232.5,1091.02 5232.5,1207.5 C32.2.1@5230,1210
NetD2_A: D2.A R1.2 | length 63.5
  Top Layer w20: D2.A@171.54,1903.46 R1.2@235,1903.46
NetD4_A: D4.A R4.2 | length 68.5
  Top Layer w20: D4.A@1041.54,1853.46 R4.2@1110,1853.46
NetD5_3: D5.3 F1.2
NetD6_A: D6.A R7.1
NetD8.1_A: D8.1.A R27.1.1 | length 60
  Top Layer w10: D8.1.A@4260,1290 R27.1.1@4320,1290
NetD8.1_K: D8.1.K U6.1.14 | length 293.2
  Top Layer w10: U6.1.14@4080,1093.52 U6.1.14@4081.27,1092.25 ; v1(4080,1170) 4082.5,1167.5 U6.1.14@4082.5,1091.02 ; v1(4245,1175) 4245,1198.07 D8.1.K@4260,1213.07
  Bottom Layer w10: v1(4080,1170) 4085,1175 v1(4245,1175)
NetD8.2_A: D8.2.A R27.2.1 | length 60
  Top Layer w10: D8.2.A@5310,1280 R27.2.1@5370,1280
NetD8.2_K: D8.2.K U6.2.14 | length 306.7
  Top Layer w10: v1(5130,1165) 5130,1093.52 U6.2.14@5131.27,1092.25 ; v1(5300,1160) 5300,1203.07 D8.2.K@5310,1213.07
  Bottom Layer w10: v1(5130,1165) 5135,1170 5145,1160 v1(5300,1160)
NetD9.1_A: D9.1.A R28.1.1 | length 60
  Top Layer w10: D9.1.A@4380,1290 R28.1.1@4440,1290
NetD9.1_K: D9.1.K U6.1.7 | length 466.1
  Top Layer w10: U6.1.7@4182.5,902.05 4184.84,904.39 4184.84,1014.84 4204.72,1034.72 4259.72,1034.72 4280,1055 4280,1150 4300,1170 4370,1170 4380,1180 D9.1.K@4380,1213.07
NetD9.2_A: D9.2.A R28.2.1 | length 60
  Top Layer w10: D9.2.A@5430,1280 R28.2.1@5490,1280
NetD9.2_K: D9.2.K U6.2.7 | length 474.8
  Top Layer w10: U6.2.7@5232.5,902.05 5234.84,904.39 5234.84,1014.84 5250,1030 5320,1030 5330,1040 5330,1150 5350,1170 5420,1170 5430,1180 D9.2.K@5430,1213.07
NetD10.1_K: D10.1.K R29.1.1 U6.1.9 | length 611
  Top Layer w10: D10.1.K@4070,705.43 R29.1.1@4135.43,705.43 ; R29.1.1@4140,703.46 v1(4140,785) ; U6.1.9@4207.5,1091.02 4228.52,1070 v1(4250,1070)
  Bottom Layer w10: v1(4140,785) 4145,790 4250,790 4275,815 4275,1045 v1(4250,1070)
NetD10.2_K: D10.2.K R29.2.1 U6.2.9 | length 304.5
  Top Layer w10: U6.2.9@5257.5,1091.02 5278.52,1070 v1(5300,1070)
  Bottom Layer w10: v1(5300,1070) 5370,1070 5390,1050 D10.2.K@5390,895
NetD11.1_K: D11.1.K R30.1.1 U6.1.8 | length 272.5
  Top Layer w10: U6.1.8@4210,900 R30.1.1@4210,703.46 4248.46,703.46 D11.1.K@4275,730
NetD11.2_K: D11.2.K R30.2.1 U6.2.8 | length 167
  Top Layer w10: U6.2.8@5257.5,902.05 5257.5,802.5 R30.2.1@5259.57,800.43 ; D11.2.K@5259.57,740 R30.2.1@5259.57,800.43 ; R30.2.1@5259.57,804.57 R30.2.1@5259.57,800.43
NetD13.1_A: D13.1.A R34.1.2 | length 116.5
  Top Layer w10: D13.1.A@2530,153.46 R34.1.2@2530,266.54 R34.1.2@2530,270
NetD13.2_A: D13.2.A R34.2.2 | length 116.5
  Top Layer w10: D13.2.A@2600,150 D13.2.A@2600,153.46 R34.2.2@2600,266.54
NetR2_2: R2.2 R3.1 U1.4 | length 3.5
  Top Layer w15: R3.1@263.46,981.54 R3.1@263.46,985
NetR5_2: R5.2 R6.1 U2.4
NetR11_2: R11.2 Y1.1 | length 147.6
  Top Layer w10: R11.2@2155,876.54 2155,810 2157.68,807.32 Y1.1@2235,807.32
NetR12_1: R12.1 U4.7 | length 2915.6
  Top Layer w8: U4.7@2995.47,1230.47 3684.53,1230.47 3730,1185 v1(3845,1185) ; v1(5690,1020) R12.1@5756.54,1020
  Bottom Layer w8: v1(3845,1185) 3845,1125 3865,1105 5660,1105 5690,1075 v1(5690,1020)
NetR16.1_2: R16.1.2 U5.1.22 U5.1.23 | length 131.6
  Top Layer w10: R16.1.2@2003.46,2275 2008.46,2270 U5.1.22@2082.99,2270 U5.1.23@2082.99,2220
NetR16.2_2: R16.2.2 U5.2.22 U5.2.23 | length 131.6
  Top Layer w10: R16.2.2@2983.46,2310 2988.46,2305 U5.2.22@3062.99,2305 U5.2.23@3062.99,2255
NetR16.3_2: R16.3.2 U5.3.22 U5.3.23 | length 131.6
  Top Layer w10: R16.3.2@3933.46,2310 3938.46,2305 U5.3.22@4012.99,2305 U5.3.23@4012.99,2255
NetR16.4_2: R16.4.2 U5.4.22 U5.4.23 | length 131.6
  Top Layer w10: R16.4.2@4883.46,2310 4888.46,2305 U5.4.22@4962.99,2305 U5.4.23@4962.99,2255
NetR17.1_2: R17.1.2 U5.1.3 U5.1.4 | length 138
  Top Layer w10: U5.1.4@2457.01,2320 U5.1.3@2457.01,2270 R17.1.2@2541.54,2270 R17.1.2@2545,2270
NetR17.2_2: R17.2.2 U5.2.3 U5.2.4 | length 134.5
  Top Layer w10: U5.2.3@3437.01,2305 U5.2.4@3437.01,2355 R17.2.2@3521.54,2355
NetR17.3_2: R17.3.2 U5.3.3 U5.3.4 | length 134.5
  Top Layer w10: U5.3.3@4387.01,2305 U5.3.4@4387.01,2355 R17.3.2@4471.54,2355
NetR17.4_2: R17.4.2 U5.4.3 U5.4.4 | length 134.5
  Top Layer w10: U5.4.3@5337.01,2305 U5.4.4@5337.01,2355 R17.4.2@5421.54,2355
NetR18.1_2: R18.1.2 U5.1.18 U5.1.19 | length 139.9
  Top Layer w10: R18.1.2@2003.46,2495 2040,2495 2065,2470 U5.1.18@2082.99,2470 U5.1.19@2082.99,2420
NetR18.2_2: R18.2.2 U5.2.18 U5.2.19 | length 139.9
  Top Layer w10: R18.2.2@2983.46,2530 3020,2530 3045,2505 U5.2.18@3062.99,2505 U5.2.19@3062.99,2455
NetR18.3_2: R18.3.2 U5.3.18 U5.3.19 | length 139.9
  Top Layer w10: R18.3.2@3933.46,2530 3970,2530 3995,2505 U5.3.18@4012.99,2505 U5.3.19@4012.99,2455
NetR18.4_2: R18.4.2 U5.4.18 U5.4.19 | length 139.9
  Top Layer w10: R18.4.2@4883.46,2530 4920,2530 4945,2505 U5.4.18@4962.99,2505 U5.4.19@4962.99,2455
NetR19.1_2: R19.1.2 U5.1.7 U5.1.8 | length 141.6
  Top Layer w10: U5.1.7@2457.01,2470 U5.1.8@2457.01,2520 2541.54,2520 R19.1.2@2546.54,2515
NetR19.2_2: R19.2.2 U5.2.7 U5.2.8 | length 141.6
  Top Layer w10: U5.2.7@3437.01,2505 U5.2.8@3437.01,2555 3521.54,2555 R19.2.2@3526.54,2550
NetR19.3_2: R19.3.2 U5.3.7 U5.3.8 | length 141.6
  Top Layer w10: U5.3.7@4387.01,2505 U5.3.8@4387.01,2555 4471.54,2555 R19.3.2@4476.54,2550
NetR19.4_2: R19.4.2 U5.4.7 U5.4.8 | length 141.6
  Top Layer w10: U5.4.7@5337.01,2505 U5.4.8@5337.01,2555 5421.54,2555 R19.4.2@5426.54,2550
NetTP8_1: TP8.1 U4.40 | length 283.4
  Top Layer w10: TP8.1@2285,1270 2509.06,1270 ; 2495.16,1269.84 U4.40@2554.53,1269.84
OSC: TP6.1 U4.39 Y1.3 | length 1227.4
  Top Layer w10: Y1.3@2435,975 2435,1050 2410,1075 2220,1075 2195,1100 2195,1460 2215,1480 TP6.1@2285,1480 2330,1480 2355,1455 2355,1310 2375.47,1289.53 U4.39@2554.53,1289.53
P\O\T\_\R\S\T\0: U4.42 U5.1.10 | length 1651.8
  Top Layer w10: U5.1.10@2457.01,2620 v1(2575,2620) ; U4.42@2554.53,1230.47 2609.53,1230.47 v1(2625,1215)
  Bottom Layer w10: v1(2575,2620) 2555,2600 2555,1260 2600,1215 v1(2625,1215)
P\O\T\_\R\S\T\1: U4.43 U5.2.10 | length 3348.8
  Top Layer w8: v1(2430,1210) 2430.79,1210.79 U4.43@2554.53,1210.79
  Top Layer w10: U5.2.10@3437.01,2655 v1(3505,2655)
  Bottom Layer w8: v1(2430,1210) 2430,870 2455,845 2508.36,845 2533.36,820 2670.23,820 2674.23,824 3299,824 3500,1025 3500,1925 3490,1935 3490,2640 v1(3505,2655)
P\O\T\_\R\S\T\2: U4.44 U5.3.10 | length 3272.8
  Top Layer w8: U4.44@2554.53,1191.1 2556.31,1189.32 2600.32,1189.32 2604.64,1185 2760,1185 2800,1225 2800,1365 2820,1385 2910,1385 2950.54,1425.54 v1(2950.54,1435.54) ; v1(3380,1580) 3470,1580 3495,1605 3495,1845 3525,1875 3800,1875 3835,1910 3835,1980 3855,2000 v1(4445,2000) ; U5.3.10@4387.01,2655 v1(4450,2655)
  Bottom Layer w8: v1(2950.54,1435.54) 2950.54,1525.54 2981,1556 3356,1556 v1(3380,1580) ; v1(4445,2000) 4445,2650 v1(4450,2655)
P\O\T\_\R\S\T\3: U4.45 U5.4.10 | length 4428.3
  Top Layer w8: U4.45@2550,1170 2597.01,1170 2602.01,1165 2835,1165 2850,1150 v1(2850,1105) ; v1(3380,1540) 3480,1540 3520,1580 3520,1830 3547,1857 3832,1857 3860,1885 3860,1955 3875,1970 4495,1970 4570,2045 5315,2045 5410,2140 v1(5460,2140) ; U5.4.10@5337.01,2655 v1(5460,2655)
  Bottom Layer w8: v1(2850,1105) 2940,1105 2960,1125 2960,1408.23 2976.54,1424.77 2976.54,1501.54 3015,1540 v1(3380,1540) ; v1(5460,2140) v1(5460,2655)
P\O\T\_\S\H\D\N\0: U4.60 U5.1.15 | length 3477.2
  Top Layer w10: U5.1.15@2080,2620 U5.1.15@2082.99,2620 v1(2205,2620) ; v1(2405,660) 2508.18,660 2526.18,678 2783,678 2807,702 2807,877 2844.68,914.68 U4.60@2844.68,1040
  Bottom Layer w10: v1(2205,2620) 2455,2620 2480,2595 2480,1390 2440,1350 2270,1350 2225,1305 2225,705 2270,660 v1(2405,660)
P\O\T\_\S\H\D\N\1: U4.61 U5.2.15 | length 2517.8
  Top Layer w8: U4.61@2863.58,1039.53 2863.58,858.58 2867.17,855 2869.33,857.17 2872.83,857.17 v1(2875,855) ; v1(2990,2655) U5.2.15@3062.99,2655 ; v1(3115,1660) 3115,1655 3130,1640 3190,1640 3206,1624 3206,1374.23 3186.77,1355 v1(3145,1355)
  Bottom Layer w8: v1(2875,855) 2870,855 2875,850 2884,859 3074,859 ; v1(2990,2655) 2990,1895 3020,1865 3075,1865 3110,1830 3110,1660 v1(3115,1660) ; 3075,860 3110,895 3110,1033.23 3109,1034.23 3109,1319 v1(3145,1355)
P\O\T\_\S\H\D\N\2: U4.62 U5.3.15 | length 2879.5
  Top Layer w8: U4.62@2883.27,1039.53 2883.27,951.73 2900,935 2962,935 2980,953 2980,985 2994,999 3384,999 3414,1029 3414,1144 v1(3415,1145) ; v1(3415,1670) 3415,1895 3440,1920 v1(3575,1920) ; v1(3815,2655) U5.3.15@4012.99,2655
  Bottom Layer w8: v1(3415,1145) 3415,1660 3410,1665 v1(3415,1670) ; v1(3575,1920) 3575,2625 3605,2655 v1(3815,2655)
P\O\T\_\S\H\D\N\3: U4.63 U5.4.15 | length 3682.3
  Top Layer w8: U4.63@2902.95,1039.53 2902.95,967.05 2915,955 2945,955 2960,970 2960,995 2980,1015 3365,1015 3385,1035 v1(3385,1100) ; v1(3385,1500) 3485,1500 3550,1565 3550,1805 3580,1835 3850,1835 3880,1865 3880,1925 3905,1950 4525,1950 4585,2010 v1(4880,2010) ; v1(4880,2655) U5.4.15@4962.99,2655
  Bottom Layer w8: v1(3385,1100) v1(3385,1500) ; v1(4880,2010) v1(4880,2655)
PGEC: P1.5 R13.2 | length 107.7
  Top Layer w10: R13.2@5823.46,635 5910,635 P1.5@5925,620
PGED: P1.4 R14.2 | length 109.8
  Top Layer w10: R14.2@5823.46,700 5905,700 P1.4@5925,720
PIC_ADC7: P13.2 U4.17 | length 582.9
  Top Layer w10: U4.17@2922.64,1480.47 2922.64,1792.64 2955,1825 P13.2@3180,1825
PIC_ADC8: P14.2 U4.18 | length 809
  Top Layer w10: U4.18@2902.95,1480.47 2902.95,1842.95 2935,1875 3280,1875 3295,1860 P14.2@3295,1825
POTA1: P7.1 R16.1.1 | length 1701.7
  Top Layer w10: R16.1.1@1936.54,2275 1910,2275 1875,2310 1875,3319.54 1980.46,3425 2040.46,3425 2090,3474.54 2090,3670 P7.1@2190,3770